# Altium PCB DM3390.PcbDoc (part 4 of 5)
Units mm, origin at the board's own origin, x right, y up, seen from the top; angles counter-clockwise.
Board outline 50.5 x 70 mm, 6 copper layers (Top Copper, Layer 1, Layer 2, Layer 3, Layer 4, Bottom Layer), stack 1.578 mm thick; 186 components, 176 nets, 1100 pads, 824 vias.
Unrouted connection lines stored in the file: 287.
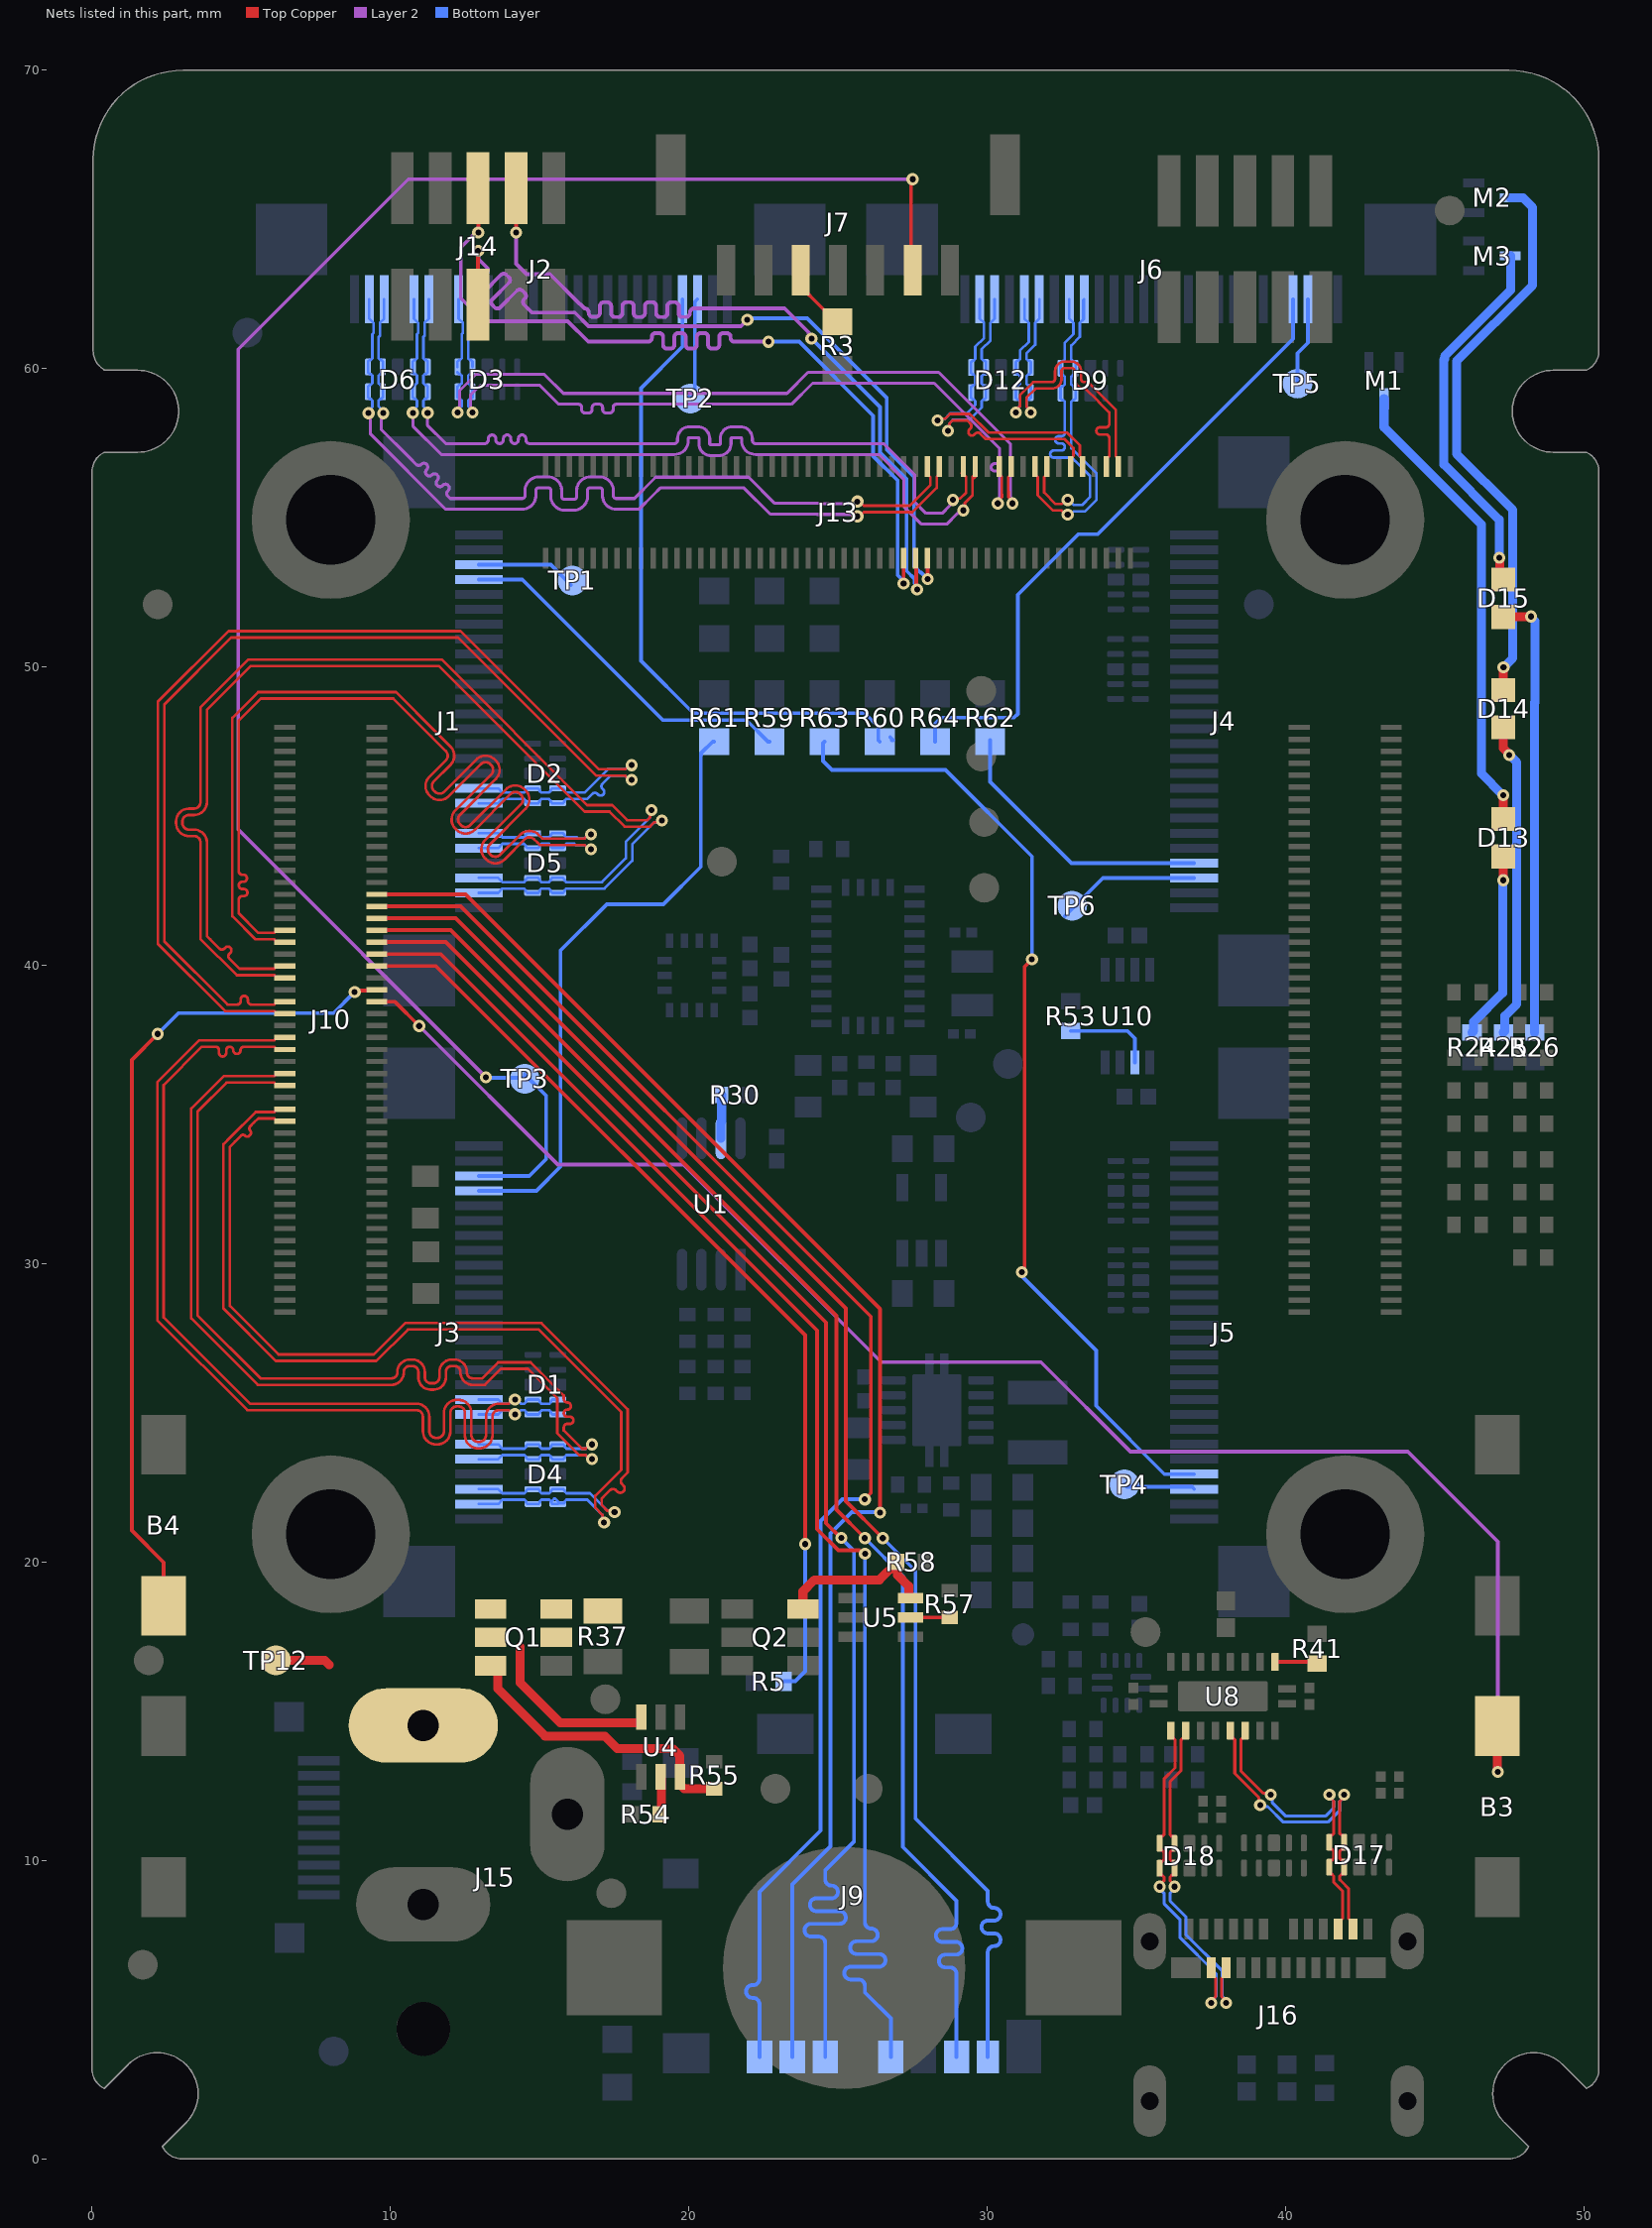
[diagram p8: the nets of this part, all layers, seen from the top]

## Via types
v1: diameter 0.406, hole 0.203, Top Copper to Bottom Layer, tented both sides, 794 vias
v2: diameter 0.406, hole 0.203, Top Copper to Bottom Layer, 30 vias

## Nets (pads, with @x,y where several pads share a name; then routed paths per layer and width w, separated by ;. In a path a pad name is that pad's centre, name@x,y a point inside that pad or via, vN(x,y) a via of type N, cw(c..) or ccw(c..) an arc to the next point about the centre after c; other vN are vias at no path point) (continued)
MIPI_RX2_C_N: D3.5 D3.6 J2.8 J13.79 | length 28.4
  Top Copper w0.089: J13.79@30.8,56.718 30.8,56.458 30.708,56.365 30.708,55.885 30.71,55.882 30.71,55.69 30.85,55.55 v1(30.85,55.479)
  Layer 2 w0.102: v1(12.25,58.528) 12.308,58.587 12.308,58.733 12.316,58.74 12.316,58.885 12.316,59.261 12.864,59.809 15.155,59.809 15.794,59.17 23.29,59.17 23.996,59.876 28.374,59.876 30.784,57.466 30.784,55.836 30.784,55.691 30.791,55.683 30.791,55.537 v1(30.85,55.479)
  Bottom Layer w0.089: D3.6@12.248,59.877 12.303,59.822 12.334,59.822 12.39,59.766 12.39,59.512 12.334,59.456 12.303,59.456 12.248,59.401 D3.5@12.248,59.222 12.248,59.042 12.303,58.987 12.334,58.987 12.39,58.931 12.39,58.739 12.25,58.6 v1(12.25,58.528) ; D3.6@12.248,60.057 12.248,60.236 12.303,60.291 12.334,60.291 12.39,60.347 12.39,61.153 12.429,61.192 12.429,61.533 12.287,61.675 J2.8@12.287,62.325
MIPI_RX2_C_P: D3.4 D3.7 J2.9 J13.77 | length 28.4
  Top Copper w0.089: v1(30.354,55.479) 30.354,55.55 30.494,55.69 30.494,55.776 30.492,55.778 30.492,56.365 30.4,56.458 J13.77@30.4,56.718
  Layer 2 w0.102: v1(12.745,58.528) 12.687,58.587 12.687,58.733 12.68,58.74 12.68,59.11 13.014,59.445 15.005,59.445 15.643,58.807 15.898,58.807 16.301,58.807 cw(c16.301,58.701) 16.407,58.701 16.407,58.623 ccw(c16.512,58.623) 16.512,58.517 16.653,58.517 ccw(c16.653,58.623) 16.759,58.623 16.759,58.701 cw(c16.864,58.701) 16.864,58.807 17.005,58.807 cw(c17.005,58.701) 17.111,58.701 17.111,58.623 ccw(c17.216,58.623) 17.216,58.517 17.357,58.517 ccw(c17.357,58.623) 17.463,58.623 17.463,58.701 cw(c17.568,58.701) 17.568,58.807 17.929,58.807 23.441,58.807 24.146,59.512 28.224,59.512 30.421,57.315 30.421,57.246 30.421,56.943 cw(c30.295,56.943) 30.295,56.817 30.257,56.817 ccw(c30.257,56.691) 30.257,56.565 30.295,56.565 cw(c30.295,56.439) 30.421,56.439 30.421,56.194 30.421,55.986 30.42,55.691 30.413,55.683 30.413,55.537 v1(30.354,55.479)
  Bottom Layer w0.089: v1(12.745,58.528) 12.745,58.6 12.606,58.739 12.606,58.931 12.661,58.987 12.693,58.987 12.748,59.042 D3.4@12.748,59.222 12.748,59.401 12.693,59.456 12.661,59.456 12.606,59.512 12.606,59.766 12.661,59.822 12.693,59.822 D3.7@12.748,59.877 ; D3.7@12.748,60.057 12.748,60.236 12.693,60.291 12.661,60.291 12.606,60.347 12.606,61.063 12.645,61.102 12.645,61.533 12.787,61.675 J2.9@12.787,62.325
MIPI_RX2_D0_N: D6.5 D6.6 J2.2 J13.67 | length 28.8
  Top Copper w0.089: v1(25.65,55.05) 25.721,55.05 25.861,55.19 27.495,55.19 28.308,56.002 28.308,56.365 28.4,56.458 J13.67@28.4,56.718
  Layer 2 w0.102: v1(9.265,58.507) 9.324,58.449 9.324,58.303 9.331,58.295 9.331,57.805 11.853,55.283 14.175,55.283 14.408,55.283 ccw(c14.408,55.748) 14.873,55.748 14.873,55.91 cw(c14.974,55.91) 14.974,56.011 15.275,56.011 cw(c15.275,55.91) 15.375,55.91 15.375,55.719 ccw(c15.839,55.719) 15.839,55.255 16.14,55.255 ccw(c16.14,55.719) 16.604,55.719 16.604,55.91 cw(c16.704,55.91) 16.704,56.011 17.006,56.011 cw(c17.006,55.91) 17.106,55.91 17.106,55.748 ccw(c17.571,55.748) 17.571,55.283 18.327,55.283 18.817,55.773 19.042,55.998 21.852,55.998 22.729,55.121 24.294,55.121 24.298,55.116 25.438,55.116 25.446,55.108 25.592,55.108 v1(25.65,55.05)
  Bottom Layer w0.089: v1(9.265,58.507) 9.265,58.593 9.39,58.718 9.39,58.931 9.334,58.987 9.303,58.987 9.248,59.042 D6.5@9.248,59.222 9.248,59.401 9.303,59.456 9.334,59.456 9.39,59.512 9.39,59.766 9.334,59.822 9.303,59.822 9.248,59.877 D6.6@9.248,60.057 9.248,60.236 9.303,60.291 9.334,60.291 9.39,60.347 9.39,61.153 9.429,61.192 9.429,61.533 9.287,61.675 J2.2@9.287,62.325
MIPI_RX2_D0_P: D6.4 D6.7 J2.3 J13.65 | length 28.8
  Top Copper w0.089: v1(25.65,55.545) 25.721,55.545 25.861,55.406 27.406,55.406 28.092,56.092 28.092,56.365 28,56.458 J13.65@28,56.718
  Layer 2 w0.102: v1(9.761,58.507) 9.703,58.449 9.703,58.303 9.695,58.295 9.695,57.955 10.609,57.04 10.646,57.004 10.856,56.794 ccw(c10.945,56.883) 11.034,56.794 cw(c11.124,56.705) 11.213,56.794 cw(c11.124,56.705) 11.213,56.615 ccw(c11.302,56.526) 11.213,56.437 ccw(c11.302,56.526) 11.391,56.437 cw(c11.48,56.348) 11.569,56.437 cw(c11.48,56.348) 11.569,56.259 ccw(c11.658,56.17) 11.569,56.081 ccw(c11.658,56.17) 11.747,56.081 11.757,56.091 cw(c11.846,56.002) 11.935,56.091 cw(c11.846,56.002) 11.935,55.913 11.925,55.903 ccw(c12.014,55.814) 11.925,55.725 12.003,55.646 12.187,55.646 14.175,55.646 14.408,55.646 ccw(c14.408,55.748) 14.51,55.748 14.51,55.91 cw(c14.974,55.91) 14.974,56.374 15.275,56.374 cw(c15.275,55.91) 15.739,55.91 15.739,55.719 ccw(c15.839,55.719) 15.839,55.619 16.14,55.619 ccw(c16.14,55.719) 16.241,55.719 16.241,55.91 cw(c16.704,55.91) 16.704,56.374 17.006,56.374 cw(c17.006,55.91) 17.469,55.91 17.469,55.748 ccw(c17.571,55.748) 17.571,55.646 18.177,55.646 18.817,56.287 18.892,56.362 22.002,56.362 22.88,55.484 24.444,55.484 24.449,55.479 25.438,55.479 25.446,55.487 25.592,55.487 v1(25.65,55.545)
  Bottom Layer w0.089: v1(9.761,58.507) 9.761,58.579 9.606,58.733 9.606,58.931 9.661,58.987 9.693,58.987 9.748,59.042 D6.4@9.748,59.222 9.748,59.401 9.693,59.456 9.661,59.456 9.606,59.512 9.606,59.766 9.661,59.822 9.693,59.822 9.748,59.877 D6.7@9.748,60.057 9.748,60.236 9.693,60.291 9.661,60.291 9.606,60.347 9.606,61.063 9.645,61.102 9.645,61.533 9.787,61.675 J2.3@9.787,62.325
MIPI_RX2_D1_N: D6.2 D6.9 J2.5 J13.73 | length 28.5
  Top Copper w0.089: v1(29.2,55.25) 29.251,55.3 29.251,55.498 29.508,55.755 29.508,56.365 J13.73@29.6,56.458 ; 29.552,56.327 29.6,56.374 J13.73@29.6,56.458 ; J13.73@29.6,56.718 J13.73@29.6,56.458
  Layer 2 w0.102: v1(10.75,58.518) 10.75,58.077 11.704,57.124 19.287,57.124 19.519,57.124 ccw(c19.519,57.589) 19.985,57.589 19.985,57.653 cw(c20.02,57.653) 20.02,57.688 20.301,57.688 cw(c20.301,57.653) 20.337,57.653 20.337,57.485 ccw(c20.735,57.485) 20.735,57.087 21.017,57.087 ccw(c21.017,57.485) 21.415,57.485 21.415,57.653 cw(c21.451,57.653) 21.451,57.688 21.732,57.688 cw(c21.732,57.653) 21.767,57.653 21.767,57.589 ccw(c22.233,57.589) 22.233,57.124 23.528,57.124 26.376,57.124 27.2,56.3 27.2,55.386 27.799,54.787 28.644,54.787 29.004,55.147 29.015,55.147 29.118,55.25 v1(29.2,55.25)
  Bottom Layer w0.089: v1(10.75,58.518) 10.75,58.589 10.89,58.729 10.89,58.931 10.834,58.987 10.803,58.987 10.748,59.042 D6.2@10.748,59.222 10.748,59.401 10.803,59.456 10.834,59.456 10.89,59.512 10.89,59.766 10.834,59.822 10.803,59.822 10.748,59.877 D6.9@10.748,60.057 10.748,60.236 10.803,60.291 10.834,60.291 10.89,60.347 10.89,61.153 10.929,61.192 10.929,61.533 10.787,61.675 J2.5@10.787,62.325
MIPI_RX2_D1_P: D6.1 D6.10 J2.6 J13.71 | length 28.4
  Top Copper w0.089: v1(28.85,55.6) 28.9,55.65 29.098,55.65 29.292,55.844 29.292,56.365 29.2,56.458 J13.71@29.2,56.54 ; J13.71@29.152,56.492 J13.71@29.2,56.54 ; J13.71@29.2,56.718 J13.71@29.2,56.54
  Layer 2 w0.102: v1(11.245,58.518) 11.231,58.503 11.231,58.111 11.854,57.487 12.691,57.487 13.153,57.487 ccw(c13.153,57.613) 13.279,57.613 13.279,57.651 cw(c13.405,57.651) 13.531,57.651 13.531,57.613 ccw(c13.657,57.613) 13.783,57.613 13.783,57.651 cw(c13.909,57.651) 14.035,57.651 14.035,57.613 ccw(c14.161,57.613) 14.287,57.613 14.287,57.651 cw(c14.413,57.651) 14.539,57.651 14.539,57.613 ccw(c14.665,57.613) 14.665,57.487 14.968,57.487 19.287,57.487 19.519,57.487 ccw(c19.519,57.589) 19.621,57.589 19.621,57.653 cw(c20.02,57.653) 20.02,58.052 20.301,58.052 cw(c20.301,57.653) 20.7,57.653 20.7,57.485 ccw(c20.735,57.485) 20.735,57.45 21.017,57.45 ccw(c21.017,57.485) 21.052,57.485 21.052,57.653 cw(c21.451,57.653) 21.451,58.052 21.732,58.052 cw(c21.732,57.653) 22.131,57.653 22.131,57.589 ccw(c22.233,57.589) 22.233,57.487 23.528,57.487 26.527,57.487 27.563,56.45 27.563,55.537 27.95,55.15 28.493,55.15 28.747,55.403 28.747,55.414 28.85,55.518 v1(28.85,55.6)
  Bottom Layer w0.089: v1(11.245,58.518) 11.245,58.589 11.106,58.729 11.106,58.931 11.161,58.987 11.193,58.987 11.248,59.042 D6.1@11.248,59.222 11.248,59.401 11.193,59.456 11.161,59.456 11.106,59.512 11.106,59.766 11.161,59.822 11.193,59.822 11.248,59.877 D6.10@11.248,60.057 D6.10@11.248,60.236 ; D6.10@11.248,60.242 D6.10@11.248,60.236 ; J2.6@11.287,62.325 11.287,61.675 11.145,61.533 11.145,61.102 11.106,61.063 11.106,60.347 11.161,60.291 11.193,60.291 D6.10@11.248,60.236
MIPI_RX3_C_N: D9.5 D9.6 J6.8 J13.85 | length 11.7
  Top Copper w0.089: J13.85@32,56.718 32,56.458 31.908,56.365 31.908,55.848 32.296,55.46 32.489,55.46 32.629,55.6 v1(32.7,55.6)
  Bottom Layer w0.089: v1(32.7,55.6) 32.741,55.6 32.911,55.43 33.18,55.43 33.451,55.701 33.451,56.394 32.933,56.912 32.889,56.956 ccw(c32.744,56.812) 32.744,57.016 32.23,57.016 cw(c32.23,57.135) 32.11,57.135 cw(c32.23,57.135) 32.23,57.255 32.483,57.255 ccw(c32.483,57.374) 32.602,57.374 ccw(c32.483,57.374) 32.483,57.494 32.4,57.494 cw(c32.4,57.613) 32.281,57.613 cw(c32.4,57.613) 32.4,57.733 32.483,57.733 ccw(c32.483,57.852) 32.602,57.852 32.602,58.713 32.602,58.891 32.547,58.946 32.515,58.946 32.46,59.001 D9.5@32.46,59.181 32.46,59.36 32.515,59.415 32.547,59.415 32.602,59.471 32.602,59.726 32.547,59.781 32.515,59.781 32.46,59.836 D9.6@32.46,60.016 32.46,60.195 32.515,60.25 32.547,60.25 32.602,60.306 32.602,60.868 32.892,61.157 32.892,61.533 32.75,61.675 J6.8@32.75,62.325
MIPI_RX3_C_P: D9.4 D9.7 J6.9 J13.83 | length 11.7
  Top Copper w0.089: J13.83@31.6,56.718 31.6,56.458 31.692,56.365 31.692,55.759 32.206,55.244 32.489,55.244 32.629,55.105 v1(32.7,55.105)
  Bottom Layer w0.089: v1(32.7,55.105) 32.786,55.105 32.895,55.214 33.269,55.214 33.666,55.611 33.666,56.484 32.818,57.332 32.818,58.891 32.874,58.946 32.905,58.946 32.96,59.001 D9.4@32.96,59.181 32.96,59.36 32.905,59.415 32.874,59.415 32.818,59.471 32.818,59.726 32.874,59.781 32.905,59.781 32.96,59.836 D9.7@32.96,60.016 32.96,60.195 32.905,60.25 32.874,60.25 32.818,60.306 32.818,60.706 32.818,60.778 33.108,61.068 33.108,61.533 J6.9@33.213,61.638 ; J6.9@33.213,61.638 33.213,62.288 J6.9@33.25,62.325 33.25,61.675 J6.9@33.213,61.638
MIPI_RX3_D0_N: D12.5 D12.6 J6.2 J13.91 | length 11.6
  Top Copper w0.089: v1(28.332,58.267) 28.382,58.317 28.58,58.317 28.745,58.482 29.418,58.482 30.043,57.857 32.68,57.857 33.108,57.429 33.108,57.07 33.2,56.978 J13.91@33.2,56.718
  Bottom Layer w0.089: v1(28.332,58.267) 28.382,58.317 28.58,58.317 28.757,58.495 29.313,58.495 29.602,58.784 29.602,58.912 29.547,58.967 29.515,58.967 29.46,59.022 D12.5@29.46,59.202 29.46,59.381 29.515,59.436 29.547,59.436 29.602,59.492 29.602,59.747 29.547,59.802 29.515,59.802 29.46,59.857 D12.6@29.46,60.037 29.46,60.216 29.515,60.271 29.547,60.271 29.602,60.327 29.602,60.74 29.892,61.029 29.892,61.533 29.75,61.675 J6.2@29.75,62.325
MIPI_RX3_D0_P: D12.4 D12.7 J6.3 J13.89 | length 11.6
  Top Copper w0.089: v1(28.682,57.917) 28.733,57.967 28.733,58.165 28.834,58.266 29.225,58.266 29.329,58.266 29.435,58.16 cw(c29.351,58.075) 29.435,57.991 29.405,57.961 ccw(c29.489,57.876) 29.405,57.792 ccw(c29.489,57.876) 29.574,57.792 29.604,57.822 cw(c29.688,57.737) 29.773,57.822 29.954,57.641 30.419,57.641 32.591,57.641 32.892,57.34 32.892,57.07 32.8,56.978 J13.89@32.8,56.718
  Bottom Layer w0.089: v1(28.682,57.917) 28.733,57.967 28.733,58.165 28.847,58.279 29.402,58.279 29.818,58.695 29.818,58.912 29.874,58.967 29.905,58.967 29.96,59.022 D12.4@29.96,59.202 29.96,59.381 29.905,59.436 29.874,59.436 29.818,59.492 29.818,59.747 29.874,59.802 29.905,59.802 29.96,59.857 D12.7@29.96,60.037 29.96,60.216 29.905,60.271 29.874,60.271 29.818,60.327 29.818,60.65 30.108,60.94 30.108,61.533 30.25,61.675 J6.3@30.25,62.325
MIPI_RX3_D1_N: D12.2 D12.9 J6.5 J13.97 | length 11.7
  Top Copper w0.089: v1(30.963,58.527) 30.963,58.598 31.102,58.738 31.102,59.116 31.537,59.55 32.014,59.55 32.167,59.55 ccw(c32.167,59.66) 32.276,59.66 32.276,59.912 cw(c32.602,59.912) 32.602,60.238 32.821,60.238 cw(c32.821,59.912) 33.147,59.912 33.147,59.66 ccw(c33.257,59.66) 33.257,59.55 33.383,59.55 33.7,59.233 34.308,58.626 34.308,57.07 34.4,56.978 J13.97@34.4,56.718
  Bottom Layer w0.089: v1(30.963,58.527) 30.963,58.598 31.102,58.738 31.102,58.912 31.047,58.967 31.015,58.967 30.96,59.022 D12.2@30.96,59.202 30.96,59.381 31.015,59.436 31.047,59.436 31.102,59.492 31.102,59.747 31.047,59.802 31.015,59.802 30.96,59.857 D12.9@30.96,60.037 30.96,60.216 31.015,60.271 31.047,60.271 31.102,60.327 31.102,60.602 31.392,60.891 31.392,61.533 31.25,61.675 J6.5@31.25,62.325
MIPI_RX3_D1_P: D12.1 D12.10 J6.6 J13.95 | length 11.7
  Top Copper w0.089: v1(31.458,58.527) 31.458,58.598 31.318,58.738 31.318,59.026 31.626,59.334 32.014,59.334 32.167,59.334 ccw(c32.167,59.66) 32.492,59.66 32.492,59.912 cw(c32.602,59.912) 32.602,60.022 32.821,60.022 cw(c32.821,59.912) 32.931,59.912 32.931,59.66 ccw(c33.257,59.66) 33.257,59.334 33.294,59.334 33.7,58.928 33.775,58.853 34.092,58.536 34.092,58.152 cw(c33.972,58.152) 33.972,58.032 33.776,58.032 ccw(c33.776,57.913) 33.657,57.913 ccw(c33.776,57.913) 33.776,57.793 33.972,57.793 cw(c33.972,57.674) 34.092,57.674 34.092,57.348 34.092,57.07 34,56.978 J13.95@34,56.718
  Bottom Layer w0.089: v1(31.458,58.527) 31.458,58.598 31.318,58.738 31.318,58.912 31.374,58.967 31.405,58.967 31.46,59.022 D12.1@31.46,59.202 31.46,59.381 31.405,59.436 31.374,59.436 31.318,59.492 31.318,59.747 31.374,59.802 31.405,59.802 31.46,59.857 D12.10@31.46,60.037 31.46,60.216 31.405,60.271 31.374,60.271 31.318,60.327 31.318,60.512 31.608,60.802 31.608,61.533 31.75,61.675 J6.6@31.75,62.325
MIPI_RX4_C_N: D1.5 D1.6 J3.8 J10.47 | length 33.2
  Top Copper w0.089: J10.47@6.46,37.578 6.2,37.578 6.108,37.485 3.594,37.485 2.184,36.075 2.184,28.111 5.203,25.092 10.117,25.092 10.867,25.092 cw(c10.867,24.872) 11.087,24.872 11.087,24.381 ccw(c11.523,24.381) 11.523,23.945 11.572,23.945 ccw(c11.572,24.381) 12.008,24.381 12.008,24.998 cw(c12.228,24.998) 12.228,25.218 12.277,25.218 cw(c12.277,24.998) 12.497,24.998 12.497,24.248 ccw(c12.933,24.248) 12.933,23.812 12.982,23.812 ccw(c12.982,24.248) 13.417,24.248 13.417,24.872 cw(c13.637,24.872) 13.637,25.092 13.79,25.092 13.963,25.092 14.103,24.952 v1(14.174,24.952)
  Bottom Layer w0.089: J3.8@12.96,24.945 13.61,24.945 13.752,25.087 13.963,25.087 14.098,24.952 v1(14.174,24.952) 14.245,24.952 14.385,25.092 14.487,25.092 14.543,25.036 14.543,25 14.598,24.945 D1.6@14.778,24.945 14.957,24.945 15.012,25 15.012,25.031 15.068,25.087 15.322,25.087 15.378,25.031 15.378,25 15.433,24.945 D1.5@15.613,24.945
MIPI_RX4_C_P: D1.4 D1.7 J3.9 J10.45 | length 33.2
  Top Copper w0.089: J10.45@6.46,37.178 6.2,37.178 6.108,37.27 5.34,37.27 5.091,37.27 ccw(c5.091,37.15) 4.972,37.15 cw(c4.852,37.15) 4.852,37.031 cw(c4.852,37.15) 4.733,37.15 ccw(c4.613,37.15) 4.613,37.27 ccw(c4.613,37.15) 4.494,37.15 4.494,37.062 cw(c4.375,37.062) 4.375,36.943 cw(c4.375,37.062) 4.255,37.062 4.255,37.15 ccw(c4.136,37.15) 4.136,37.27 3.852,37.27 3.684,37.27 2.4,35.986 2.4,28.2 5.292,25.308 10.117,25.308 10.867,25.308 cw(c10.867,24.872) 11.303,24.872 11.303,24.381 ccw(c11.523,24.381) 11.523,24.161 11.572,24.161 ccw(c11.572,24.381) 11.792,24.381 11.792,24.998 cw(c12.228,24.998) 12.228,25.434 12.277,25.434 cw(c12.277,24.998) 12.713,24.998 12.713,24.248 ccw(c12.933,24.248) 12.933,24.028 12.982,24.028 ccw(c12.982,24.248) 13.202,24.248 13.202,24.872 cw(c13.637,24.872) 13.637,25.308 13.79,25.308 13.963,25.308 14.103,25.447 v1(14.174,25.447)
  Bottom Layer w0.089: J3.9@12.96,25.445 13.61,25.445 13.752,25.303 13.958,25.303 14.103,25.447 v1(14.174,25.447) 14.233,25.447 14.373,25.308 14.487,25.308 14.543,25.363 14.543,25.39 14.598,25.445 D1.7@14.778,25.445 14.957,25.445 15.012,25.39 15.012,25.358 15.068,25.303 15.322,25.303 15.378,25.358 15.378,25.39 15.433,25.445 D1.4@15.613,25.445
MIPI_RX4_D0_N: D4.5 D4.6 J3.2 J10.35 | length 33.2
  Top Copper w0.089: J10.35@6.46,35.178 6.2,35.178 6.108,35.085 5.48,35.085 4.639,34.245 4.401,34.006 4.401,28.494 6.156,26.739 9.529,26.739 10.582,27.793 14.971,27.793 17.737,25.026 17.737,23.092 16.866,22.22 16.866,21.816 17.109,21.573 17.109,21.375 v1(17.159,21.325)
  Bottom Layer w0.089: J3.2@12.96,21.945 13.61,21.945 13.752,22.087 13.983,22.087 14.487,22.087 14.543,22.031 14.543,22 14.598,21.945 D4.6@14.778,21.945 14.957,21.945 15.012,22 15.012,22.031 15.068,22.087 15.322,22.087 15.378,22.031 15.378,22 15.433,21.945 D4.5@15.613,21.945 ; D4.5@15.386,22.024 15.485,22.123 15.527,22.123 15.674,21.975 15.822,21.975 15.847,22 15.847,22.031 15.903,22.087 16.596,22.087 17.109,21.574 17.109,21.375 v1(17.159,21.325)
MIPI_RX4_D0_P: D4.4 D4.7 J3.3 J10.33 | length 33.2
  Top Copper w0.089: J10.33@6.46,34.778 6.2,34.778 6.108,34.87 5.57,34.87 5.427,34.727 5.296,34.596 ccw(c5.364,34.529) 5.296,34.461 5.3,34.458 cw(c5.233,34.39) 5.3,34.322 5.266,34.289 cw(c5.199,34.356) 5.131,34.289 5.128,34.292 ccw(c5.06,34.225) 4.992,34.292 4.792,34.092 4.617,33.917 4.617,28.583 6.245,26.955 9.439,26.955 10.493,28.008 15.061,28.008 17.953,25.116 17.953,23.069 17.953,23.002 17.764,22.813 ccw(c17.866,22.711) 17.764,22.609 17.805,22.567 cw(c17.703,22.465) 17.805,22.363 cw(c17.703,22.465) 17.601,22.363 17.559,22.404 ccw(c17.457,22.302) 17.355,22.404 17.119,22.169 17.081,22.131 17.081,21.905 17.261,21.726 17.459,21.726 v1(17.509,21.675)
  Bottom Layer w0.089: J3.3@12.96,22.445 13.61,22.445 13.752,22.303 13.894,22.303 14.487,22.303 14.543,22.358 14.543,22.39 14.598,22.445 D4.7@14.778,22.445 14.957,22.445 15.012,22.39 15.012,22.358 15.068,22.303 15.322,22.303 15.378,22.358 15.378,22.39 15.433,22.445 D4.4@15.613,22.445 15.792,22.445 15.847,22.39 15.847,22.358 15.903,22.303 16.686,22.303 17.262,21.726 17.458,21.726 v1(17.509,21.675)
MIPI_RX4_D1_N: D4.2 D4.9 J3.5 J10.41 | length 33.2
  Top Copper w0.089: J10.41@6.46,36.378 6.2,36.378 6.108,36.285 4.411,36.285 3.324,35.198 3.324,28.171 5.556,25.939 9.883,25.939 10.035,25.939 ccw(c10.035,26.351) 10.447,26.351 10.447,26.372 cw(c10.642,26.372) 10.642,26.567 10.74,26.567 cw(c10.74,26.372) 10.936,26.372 10.936,26.189 ccw(c11.347,26.189) 11.347,25.778 11.445,25.778 ccw(c11.445,26.189) 11.856,26.189 11.856,26.372 cw(c12.052,26.372) 12.052,26.567 12.15,26.567 cw(c12.15,26.372) 12.345,26.372 12.345,26.351 ccw(c12.757,26.351) 12.757,25.939 13.164,25.939 13.349,26.124 13.698,26.474 14.611,26.474 15.593,25.492 15.593,24.322 16.328,23.587 16.543,23.587 16.683,23.447 v1(16.754,23.447)
  Bottom Layer w0.089: J3.5@12.96,23.445 13.61,23.445 13.752,23.587 14.064,23.587 14.487,23.587 14.543,23.531 14.543,23.5 14.598,23.445 D4.9@14.778,23.445 14.957,23.445 15.012,23.5 15.012,23.531 15.068,23.587 15.322,23.587 15.378,23.531 15.378,23.5 15.433,23.445 D4.2@15.613,23.445 15.792,23.445 15.847,23.5 15.847,23.531 15.903,23.587 16.543,23.587 16.683,23.447 v1(16.754,23.447)
MIPI_RX4_D1_P: D4.1 D4.10 J3.6 J10.39 | length 33.2
  Top Copper w0.089: J10.39@6.46,35.978 6.2,35.978 6.108,36.07 4.501,36.07 3.54,35.109 3.54,28.26 5.645,26.155 9.883,26.155 10.035,26.155 ccw(c10.035,26.351) 10.231,26.351 10.231,26.372 cw(c10.642,26.372) 10.642,26.783 10.74,26.783 cw(c10.74,26.372) 11.152,26.372 11.152,26.189 ccw(c11.347,26.189) 11.347,25.994 11.445,25.994 ccw(c11.445,26.189) 11.64,26.189 11.64,26.372 cw(c12.052,26.372) 12.052,26.783 12.15,26.783 cw(c12.15,26.372) 12.561,26.372 12.561,26.351 ccw(c12.757,26.351) 12.757,26.155 13.075,26.155 13.349,26.43 13.609,26.689 14.7,26.689 15.641,25.749 15.809,25.581 15.809,25.467 ccw(c15.928,25.467) 15.928,25.348 cw(c15.928,25.228) 16.048,25.228 cw(c15.928,25.228) 15.928,25.109 ccw(c15.928,24.989) 15.809,24.989 ccw(c15.928,24.989) 15.928,24.87 16.013,24.87 cw(c16.013,24.75) 16.133,24.75 cw(c16.013,24.75) 16.013,24.631 15.928,24.631 ccw(c15.928,24.511) 15.809,24.511 15.809,24.412 15.933,24.288 16.418,23.803 16.543,23.803 16.683,23.942 v1(16.754,23.942)
  Bottom Layer w0.089: J3.6@12.96,23.945 13.61,23.945 13.752,23.803 13.975,23.803 14.487,23.803 14.543,23.858 14.543,23.89 14.598,23.945 D4.10@14.778,23.945 14.957,23.945 15.012,23.89 15.012,23.858 15.068,23.803 15.322,23.803 15.378,23.858 15.378,23.89 15.433,23.945 D4.1@15.613,23.945 15.792,23.945 15.847,23.89 15.847,23.858 15.903,23.803 16.543,23.803 16.683,23.942 v1(16.754,23.942)
MIPI_RX5_C_N: D2.5 D2.6 J1.8 J10.53 | length 38
  Top Copper w0.089: J10.53@6.46,38.778 6.2,38.778 6.108,38.685 5.623,38.685 5.339,38.685 cw(c5.339,38.805) 5.22,38.805 5.22,38.856 ccw(c5.1,38.856) 5.1,38.975 ccw(c5.1,38.856) 4.981,38.856 4.981,38.805 cw(c4.861,38.805) 4.861,38.685 4.634,38.685 4.542,38.685 2.421,40.806 2.421,48.748 4.661,50.988 12.262,50.988 16.896,46.354 17.87,46.354 18.01,46.214 v1(18.081,46.214)
  Bottom Layer w0.089: J1.8@12.96,45.43 13.61,45.43 13.752,45.572 13.975,45.572 14.476,45.572 14.532,45.516 14.532,45.485 14.587,45.43 D2.6@14.767,45.43 14.946,45.43 15.001,45.485 15.001,45.516 15.057,45.572 15.311,45.572 15.367,45.516 15.367,45.485 15.422,45.43 D2.5@15.602,45.43 15.781,45.43 15.836,45.485 15.836,45.516 15.892,45.572 16.542,45.572 16.592,45.572 16.767,45.747 cw(c16.852,45.663) 16.936,45.747 16.96,45.723 ccw(c17.045,45.808) 17.129,45.723 ccw(c17.045,45.808) 17.129,45.892 17.105,45.916 cw(c17.189,46.001) 17.105,46.085 17.225,46.205 17.374,46.354 17.87,46.354 18.01,46.214 v1(18.081,46.214)
MIPI_RX5_C_P: D2.4 D2.7 J1.9 J10.51 | length 38
  Top Copper w0.089: J10.51@6.46,38.378 6.2,38.378 6.108,38.47 4.453,38.47 2.206,40.717 2.206,48.837 4.572,51.204 12.352,51.204 16.986,46.57 17.87,46.57 18.01,46.709 v1(18.081,46.709)
  Bottom Layer w0.089: J1.9@12.96,45.93 13.61,45.93 13.752,45.788 14.064,45.788 14.476,45.788 14.532,45.843 14.532,45.875 14.587,45.93 D2.7@14.767,45.93 14.946,45.93 15.001,45.875 15.001,45.843 15.057,45.788 15.311,45.788 15.367,45.843 15.367,45.875 15.422,45.93 D2.4@15.602,45.93 15.781,45.93 15.836,45.875 15.836,45.843 15.892,45.788 16.502,45.788 17.284,46.57 17.87,46.57 18.01,46.709 v1(18.081,46.709)
MIPI_RX5_D0_N: D5.5 D5.6 J1.2 J10.59 | length 38.1
  Top Copper w0.089: J10.59@6.46,39.978 6.2,39.978 6.108,39.885 4.94,39.885 4.803,40.022 4.603,40.223 cw(c4.687,40.307) 4.603,40.392 4.633,40.422 ccw(c4.549,40.506) 4.633,40.591 ccw(c4.549,40.506) 4.464,40.59 4.434,40.56 cw(c4.35,40.645) 4.265,40.56 3.962,40.863 3.85,40.976 3.85,42.639 3.85,44.113 ccw(c3.414,44.113) 3.414,44.549 3.248,44.549 cw(c3.248,44.769) 3.028,44.769 3.028,44.818 cw(c3.248,44.818) 3.248,45.038 3.414,45.038 ccw(c3.414,45.474) 3.85,45.474 3.85,46.331 3.85,48.554 5.329,50.033 11.625,50.033 16.506,45.152 17.342,45.152 17.847,44.648 18.7,44.648 18.852,44.8 19.05,44.8 v1(19.1,44.85)
  Bottom Layer w0.089: J1.2@12.96,42.43 13.61,42.43 13.752,42.572 13.983,42.572 14.476,42.572 14.532,42.516 14.532,42.485 14.587,42.43 D5.6@14.767,42.43 14.946,42.43 15.001,42.485 15.001,42.516 15.057,42.572 15.311,42.572 15.367,42.516 15.367,42.485 15.422,42.43 D5.5@15.602,42.43 15.781,42.43 15.836,42.485 15.836,42.516 15.892,42.572 17.177,42.572 18.108,43.502 18.108,44.055 18.852,44.8 19.05,44.8 v1(19.1,44.85)
MIPI_RX5_D0_P: D5.4 D5.7 J1.3 J10.57 | length 38.1
  Top Copper w0.089: J10.57@6.46,39.578 6.2,39.578 6.108,39.67 4.851,39.67 3.634,40.886 3.634,42.639 3.634,44.113 ccw(c3.414,44.113) 3.414,44.333 3.248,44.333 cw(c3.248,44.769) 2.812,44.769 2.812,44.818 cw(c3.248,44.818) 3.248,45.254 3.414,45.254 ccw(c3.414,45.474) 3.634,45.474 3.634,46.331 3.634,48.644 5.239,50.249 11.715,50.249 16.595,45.368 17.432,45.368 17.936,44.864 18.611,44.864 18.699,44.952 18.699,45.15 v1(18.75,45.2)
  Bottom Layer w0.089: J1.3@12.96,42.93 13.61,42.93 13.752,42.788 13.894,42.788 14.476,42.788 14.532,42.843 14.532,42.875 14.587,42.93 D5.7@14.767,42.93 14.946,42.93 15.001,42.875 15.001,42.843 15.057,42.788 15.311,42.788 15.367,42.843 15.367,42.875 15.422,42.93 D5.4@15.602,42.93 15.781,42.93 15.836,42.875 15.836,42.843 15.892,42.788 17.088,42.788 17.892,43.592 17.892,44.145 18.699,44.952 18.699,45.15 v1(18.75,45.2)
MIPI_RX5_D1_N: D5.2 D5.9 J1.5 J10.65 | length 38
  Top Copper w0.089: J10.65@6.46,41.178 6.2,41.178 6.108,41.085 5.568,41.085 4.915,41.738 4.915,41.918 4.915,42.201 cw(c5.035,42.201) 5.035,42.321 5.086,42.321 ccw(c5.086,42.44) 5.205,42.44 ccw(c5.086,42.44) 5.086,42.559 5.035,42.559 cw(c5.035,42.679) 4.915,42.679 cw(c5.035,42.679) 5.035,42.798 5.069,42.798 ccw(c5.069,42.918) 5.188,42.918 ccw(c5.069,42.918) 5.069,43.037 5.035,43.037 cw(c5.035,43.157) 4.915,43.157 4.915,43.45 4.915,48.203 5.654,48.942 10.097,48.942 11.375,47.663 11.857,47.182 cw(c11.701,47.026) 11.857,46.871 11.303,46.317 ccw(c11.611,46.009) 11.304,45.7 11.337,45.666 ccw(c11.646,45.974) 11.954,45.666 13.033,46.744 ; 13.033,46.745 cw(c13.189,46.589) 13.344,46.745 13.379,46.71 cw(c13.223,46.555) 13.379,46.399 12.145,45.165 12.145,45.162 ccw(c12.485,44.889) 12.177,44.58 12.211,44.546 ccw(c12.519,44.854) 12.828,44.546 14.029,45.748 ; 14.03,45.748 cw(c14.185,45.593) 14.341,45.748 14.376,45.714 cw(c14.22,45.558) 14.376,45.402 13.142,44.169 13.142,44.165 ccw(c13.482,43.892) 13.174,43.583 13.208,43.55 ccw(c13.516,43.857) 13.824,43.549 14.501,44.226 cw(c14.657,44.071) 14.813,44.226 14.92,44.118 15.005,44.034 16.509,44.034 16.648,43.894 v1(16.719,43.894)
  Bottom Layer w0.089: J1.5@12.96,43.93 13.61,43.93 13.752,44.072 13.983,44.072 14.476,44.072 14.532,44.016 14.532,43.985 14.587,43.93 D5.9@14.767,43.93 14.946,43.93 15.001,43.985 15.001,44.016 15.057,44.072 15.311,44.072 15.367,44.016 15.367,43.985 15.422,43.93 D5.2@15.602,43.93 15.781,43.93 15.836,43.985 15.836,44.016 15.892,44.072 16.16,44.072 16.198,44.034 16.509,44.034 16.648,43.894 v1(16.719,43.894)
MIPI_RX5_D1_P: D5.1 D5.10 J1.6 J10.63 | length 38
  Top Copper w0.089: J10.63@6.46,40.778 6.2,40.778 6.108,40.87 5.479,40.87 4.7,41.649 4.7,48.293 5.564,49.158 10.186,49.158 11.528,47.816 12.01,47.335 cw(c11.701,47.026) 12.01,46.718 11.456,46.164 ccw(c11.611,46.009) 11.456,45.853 11.491,45.818 ccw(c11.646,45.974) 11.802,45.819 12.912,46.929 12.916,46.929 cw(c13.189,46.589) 13.497,46.898 13.532,46.863 cw(c13.223,46.555) 13.532,46.247 12.33,45.045 ccw(c12.485,44.889) 12.329,44.733 12.364,44.698 ccw(c12.519,44.854) 12.675,44.699 13.909,45.932 13.912,45.932 cw(c14.185,45.593) 14.494,45.901 14.528,45.866 cw(c14.22,45.558) 14.528,45.25 13.327,44.048 ; 13.326,44.048 ccw(c13.482,43.892) 13.326,43.737 13.361,43.702 ccw(c13.516,43.857) 13.672,43.702 14.349,44.379 cw(c14.657,44.071) 14.965,44.379 15.073,44.271 15.094,44.25 16.509,44.25 16.648,44.39 v1(16.719,44.39)
  Bottom Layer w0.089: J1.6@12.96,44.43 13.61,44.43 13.752,44.288 13.894,44.288 14.476,44.288 14.532,44.343 14.532,44.375 14.587,44.43 D5.10@14.767,44.43 14.946,44.43 15.001,44.375 15.001,44.343 15.057,44.288 15.311,44.288 15.367,44.343 15.367,44.375 15.422,44.43 D5.1@15.602,44.43 15.781,44.43 15.836,44.375 15.836,44.343 15.892,44.288 16.25,44.288 16.287,44.25 16.509,44.25 16.648,44.39 v1(16.719,44.39)
NetD13_1: D13.1 M1.3 | length 15.7
  Top Copper w0.3: v1(47.295,45.7) 47.298,45.698 47.298,44.902 D13.1@47.3,44.9
  Bottom Layer w0.3: M1.3@43.3,58.989 43.3,58.04 46.56,54.78 46.56,46.436 v1(47.295,45.7)
NetD13_2: D13.2 R24.1 | length 6.3
  Top Copper w0.3: v1(47.295,42.85) 47.298,42.852 47.298,43.648 D13.2@47.3,43.65
  Bottom Layer w0.3: R24.1@46.25,37.75 46.3,37.8 46.3,38.1 47.275,39.075 47.275,42.83 v1(47.295,42.85)
NetD14_1: D14.1 M2.3 | length 19
  Top Copper w0.3: D14.1@47.3,49.225 47.3,49.981 v1(47.303,49.985)
  Bottom Layer w0.3: v1(47.303,49.985) 47.62,50.301 47.62,55.26 45.73,57.15 45.73,60.25 48.28,62.8 48.28,65.4 47.954,65.726 M2.3@47.531,65.726
NetD14_2: D14.2 R25.1 | length 10.6
  Top Copper w0.3: D14.2@47.3,47.975 47.3,47.275 47.5,47.075 v1(47.5,47.05)
  Bottom Layer w0.3: R25.1@47.3,37.75 47.349,37.799 47.349,38.299 47.75,38.7 47.75,46.8 v1(47.5,47.05)
NetD15_1: D15.1 M3.3 | length 12.6
  Top Copper w0.3: v1(47.16,53.66) 47.18,53.64 47.18,53.045 D15.1@47.3,52.925
  Bottom Layer w0.3: v1(47.16,53.66) 47.16,54.936 45.31,56.786 45.31,60.3 45.328,60.318 45.328,60.416 47.54,62.628 47.54,63.776 M3.3@47.531,63.776
NetD15_2: D15.2 R26.1 | length 14.9
  Top Copper w0.3: D15.2@47.3,51.675 47.309,51.684 48.223,51.684 v1(48.232,51.692)
  Bottom Layer w0.3: v1(48.232,51.692) 48.232,51.664 48.355,51.541 48.355,48.812 48.347,48.804 48.347,37.875 48.35,37.872 R26.1@48.35,37.75
NetJ1_23: J1.23 R59.2 | length 12
  Bottom Layer w0.127: J1.23@12.96,52.93 14.42,52.93 19.129,48.221 21.929,48.221 22.65,47.5 R59.2@22.7,47.5
NetJ2_23: J2.23 R60.2 | length 22.3
  Bottom Layer w0.127: J2.23@19.787,62.325 19.787,60.737 18.4,59.35 18.4,50.2 20.15,48.45 25.9,48.45 26.35,48 26.35,47.55 R60.2@26.4,47.5 ; R60.2@26.75,47.65 26.85,47.55 R60.2@26.8,47.55
NetJ3_23: J3.23 R61.2 | length 20.6
  Bottom Layer w0.127: J3.23@12.96,32.445 14.895,32.445 15.7,33.25 15.7,40.5 17.25,42.05 19.15,42.05 20.4,43.3 20.4,47.039 20.413,47.053 20.413,47.113 20.8,47.5 R61.2@20.85,47.5
NetJ4_23: J4.23 R62.2 | length 9.4
  Bottom Layer w0.127: R62.2@30.1,47.55 30.1,46.15 32.82,43.43 J4.23@36.936,43.43
NetJ5_23: J5.23 R63.2 | length 32.8
  Top Copper w0.127: v1(31.16,29.716) 31.16,29.792 31.252,29.884 31.252,39.952 v1(31.5,40.2)
  Bottom Layer w0.127: R63.2@24.55,47.5 24.5,47.45 24.5,46.85 24.8,46.55 28.6,46.55 31.5,43.65 v1(31.5,40.2) ; v1(31.16,29.716) 31.214,29.663 31.214,29.53 33.65,27.094 33.65,25.235 35.94,22.945 J5.23@36.936,22.945
NetJ6_23: J6.23 R64.2 | length 21.6
  Bottom Layer w0.127: R64.2@28.25,47.5 28.25,48.1 28.45,48.3 30.9,48.3 31.025,48.425 31.025,52.425 33.05,54.45 33.7,54.45 40.25,61 J6.23@40.25,62.325
NetJ7_5: J7.5 R3.2 | length 2.3
  Top Copper w0.127: J7.5@23.75,63.3 23.75,62.75 24.389,62.111 24.93,61.57 R3.2@24.98,61.57
NetJ15_1: J15.1 Q1.1 Q1.2 Q1.5 Q1.6 R37.1 TP12.1 U4.6 | length 7.9
  Top Copper w0.3: TP12.1@6.067,16.7 TP12.1@6.16,16.7 7.8,16.7 7.95,16.55 ; 14.35,17.15 14.35,15.95 15.696,14.604 18.375,14.604 18.4,14.629 U4.6@18.4,14.8
NetQ1_3: Q1.3 R55.2 U4.3 | length 10.4
  Top Copper w0.127: Q1.3@13.18,16.7 Q1.3@13.357,16.522
  Top Copper w0.3: Q1.3@13.357,16.522 13.425,16.522 13.6,16.347 13.6,15.75 15.184,14.166 17.184,14.166 17.6,13.75 19.45,13.75 19.7,13.5 U4.3@19.7,12.8 19.7,12.55 19.85,12.4 R55.2@20.85,12.4
NetQ2_3: Q2.3 R58.2 U5.3 | length 5.6
  Top Copper w0.3: Q2.3@23.825,18.423 23.825,19.014 24.211,19.4 26.39,19.4 R58.2@26.996,20.006 26.996,19.563 27.367,19.193 27.367,18.858 U5.3@27.432,18.792
NetR30_2: R30.2 U1.7 | length 1.5
  Bottom Layer w0.3: U1.7@21.075,34.2 21.075,34.739 21.1,34.764 R30.2@21.1,35.65
NetR41_1: R41.1 U8.2 | length 1.4
  Top Copper w0.127: U8.2@39.65,16.65 41,16.65 R41.1@41.05,16.6
NetR53_1: R53.1 U10.6 | length 3.1
  Bottom Layer w0.127: R53.1@32.8,37.8 34.7,37.8 34.75,37.75 34.95,37.55 U10.6@34.95,36.75
NetR54_2: R54.2 U4.2 | length 1.4
  Top Copper w0.3: R54.2@19,11.55 19.075,11.475 U4.2@19.075,12.8
NetR57_2: R57.2 U5.2 | length 1.3
  Top Copper w0.127: U5.2@27.432,18.142 28.736,18.142 R57.2@28.741,18.137
nRST: B4.2 J10.56 | length 27.9
  Top Copper w0.127: v1(2.2,37.7) 1.329,36.829 1.329,21.058 2.4,19.987 B4.2@2.4,18.537 ; v1(8.8,39.1) 8.851,39.151 9.513,39.151 J10.56@9.54,39.178
  Bottom Layer w0.127: v1(2.2,37.7) 2.9,38.4 8.1,38.4 v1(8.8,39.1)
PWR: B3.2 J10.54 | length 54.3
  Top Copper w0.127: J10.54@9.54,38.778 10.152,38.778 v1(10.965,37.965)
  Top Copper w0.3: B3.2@47.1,14.5 47.1,12.982 v1(47.116,12.966)
  Layer 2 w0.127: v1(10.965,37.965) 15.608,33.321 19.831,33.321 26.452,26.7 31.8,26.7 34.8,23.7 44.1,23.7 47.116,20.684 v1(47.116,12.966)
RXB_N: D18.2 D18.9 J16.B10 U8.13 | length 11.9
  Top Copper w0.102: v1(36.277,9.118) 36.277,9.165 36.127,9.314 36.127,9.444 36.187,9.503 36.226,9.503 36.275,9.552 D18.2@36.275,9.735 36.275,9.917 36.226,9.967 36.187,9.967 36.127,10.026 36.127,10.279 36.187,10.338 36.226,10.338 36.275,10.387 D18.9@36.275,10.57 36.275,10.752 36.226,10.802 36.187,10.802 36.127,10.861 36.127,12.64 36.502,13.014 36.502,14.041 36.561,14.101 36.576,14.101 36.65,14.175 U8.13@36.65,14.35 ; v1(38.006,5.222) 38.006,5.288 37.86,5.434 37.86,5.579 37.864,5.582 37.864,6.051 38.012,6.199 J16.B10@38.012,6.399
  Bottom Layer w0.102: v1(36.277,9.118) 36.277,9.052 36.131,8.906 36.131,8.639 36.66,8.109 36.66,7.508 37.879,6.289 37.879,5.432 38.006,5.304 v1(38.006,5.222)
RXB_P: D18.1 D18.10 J16.B11 U8.12 | length 11.9
  Top Copper w0.102: v1(35.781,9.118) 35.781,9.172 35.924,9.314 35.924,9.444 35.864,9.503 35.825,9.503 35.775,9.552 D18.1@35.775,9.735 35.775,9.917 35.825,9.967 35.864,9.967 35.924,10.026 35.924,10.279 35.864,10.338 35.825,10.338 35.775,10.387 D18.10@35.775,10.57 35.775,10.752 35.825,10.802 35.864,10.802 35.924,10.861 35.924,12.724 36.298,13.098 36.298,14.041 36.239,14.101 36.224,14.101 36.15,14.175 U8.12@36.15,14.35 ; v1(37.511,5.222) 37.511,5.288 37.657,5.434 37.657,5.885 37.661,5.888 37.661,6.051 37.512,6.199 J16.B11@37.512,6.399
  Bottom Layer w0.102: v1(35.781,9.118) 35.781,9.052 35.927,8.906 35.927,8.555 36.457,8.025 36.457,7.423 37.676,6.205 37.676,5.44 37.511,5.275 v1(37.511,5.222)
RXC_N: D17.1 D17.10 J16.A10 U8.17 | length 11
  Top Copper w0.102: U8.17@38.65,14.35 38.65,14.175 38.576,14.101 38.561,14.101 38.502,14.041 38.502,12.998 39.25,12.25 39.45,12.25 v1(39.5,12.2) ; v1(41.469,12.2) 41.469,12.134 41.615,11.988 41.615,10.896 41.555,10.837 41.516,10.837 41.467,10.788 D17.10@41.467,10.605 41.467,10.423 41.516,10.374 41.555,10.374 41.615,10.314 41.615,10.061 41.555,10.002 41.516,10.002 41.467,9.953 D17.1@41.467,9.77 41.467,9.588 41.516,9.539 41.555,9.539 41.615,9.479 41.615,9.266 41.793,9.087 ; J16.A10@41.762,7.699 41.762,7.899 41.911,8.048 41.911,8.971 41.795,9.087
  Bottom Layer w0.102: v1(39.5,12.2) 39.547,12.153 39.547,11.947 40.01,11.483 41.336,11.483 41.615,11.762 41.615,11.988 41.469,12.134 v1(41.469,12.2)
RXC_P: D17.2 D17.9 J16.A11 U8.16 | length 11.7
  Top Copper w0.102: U8.16@38.15,14.35 38.15,14.175 38.224,14.101 38.239,14.101 38.298,14.041 38.298,12.914 39.106,12.106 39.106,11.893 v1(39.15,11.85) ; 41.878,9.29 41.818,9.35 41.818,9.479 41.878,9.539 41.917,9.539 41.967,9.588 D17.2@41.967,9.77 41.967,9.953 41.917,10.002 41.878,10.002 41.818,10.061 41.818,10.314 41.878,10.374 41.917,10.374 41.967,10.423 D17.9@41.967,10.605 41.967,10.788 41.917,10.837 41.878,10.837 41.818,10.896 41.818,11.988 41.964,12.134 v1(41.964,12.2) ; 41.879,9.29 42.114,9.055 42.114,8.048 42.262,7.899 J16.A11@42.262,7.699
  Bottom Layer w0.102: v1(39.15,11.85) 39.196,11.803 39.403,11.803 39.926,11.28 41.42,11.28 41.818,11.678 41.818,11.988 41.964,12.134 v1(41.964,12.2)
SD_HST0_CD: J10.60 R5.2 | length 31.6
  Top Copper w0.127: J10.60@9.54,39.978 11.522,39.978 23.9,27.6 v2(23.9,20.6)
  Bottom Layer w0.127: R5.2@23.176,15.992 23.195,16.011 23.568,16.011 23.9,16.344 v2(23.9,20.6)
SD_HST0_CLK: J9.5 J10.62 | length 49.5
  Top Copper w0.127: J10.62@9.54,40.378 11.688,40.378 24.3,27.766 24.3,21.1 25.008,20.392 25.712,20.392 25.83,20.273 v2(25.906,20.273)
  Bottom Layer w0.127: v2(25.906,20.273) 25.9,20.268 25.9,9.35 25.9,7.928 ccw(c26.113,7.928) 26.113,7.715 cw(c26.114,7.501) 26.114,7.288 25.622,7.288 ccw(c25.622,7.074) 25.622,6.861 26.376,6.861 cw(c26.376,6.647) 26.376,6.434 25.423,6.434 ccw(c25.423,6.22) 25.423,6.007 25.686,6.007 cw(c25.686,5.793) 25.9,5.793 25.9,5.73 25.9,5.572 26.77,4.703 J9.5@26.77,3.409
SD_HST0_CMD: J9.3 J10.64 | length 49.5
  Top Copper w0.127: J10.64@9.54,40.778 11.854,40.778 24.6,28.031 24.6,21.3 25.095,20.805 v2(25.116,20.805)
  Bottom Layer w0.127: J9.3@24.57,3.409 24.57,7.169 24.57,7.232 ccw(c24.356,7.232) 24.356,7.446 24.093,7.446 cw(c24.093,7.659) 24.093,7.873 25.046,7.873 ccw(c25.046,8.086) 25.046,8.3 24.268,8.3 cw(c24.268,8.513) 24.268,8.727 24.783,8.727 ccw(c24.783,8.94) 24.783,9.154 cw(c24.783,9.367) 24.57,9.367 24.57,9.663 24.718,9.811 25.534,10.627 25.534,20.379 25.116,20.796 v2(25.116,20.805)
SD_HST0_D0: J9.7 J10.66 | length 49.5
  Top Copper w0.127: J10.66@9.54,41.178 12.02,41.178 24.946,28.251 24.946,21.754 v2(25.9,20.8)
  Bottom Layer w0.127: v2@25.901,20.799 27.171,19.529 27.171,10.446 28.97,8.647 28.97,8.398 28.97,7.907 cw(c28.756,7.907) 28.756,7.694 28.493,7.694 ccw(c28.493,7.48) 28.493,7.267 28.954,7.267 cw(c28.954,7.053) 28.954,6.84 28.594,6.84 ccw(c28.594,6.626) 28.594,6.413 28.756,6.413 cw(c28.756,6.199) 28.97,6.199 28.97,5.566 J9.7@28.97,3.409
SD_HST0_D1: J9.8 J10.68 | length 49.6
  Top Copper w0.127: J10.68@9.54,41.578 12.185,41.578 25.259,28.504 25.259,22.041 v2(26.5,20.8)
  Bottom Layer w0.127: v2(26.5,20.8) 27.596,19.704 27.596,11.405 30.02,8.98 30.02,8.684 30.02,8.621 ccw(c30.233,8.621) 30.233,8.407 cw(c30.233,8.194) 30.233,7.98 30.02,7.98 ccw(c30.02,7.767) 30.02,7.553 30.233,7.553 cw(c30.233,7.34) 30.233,7.126 ccw(c30.233,6.913) 30.02,6.913 30.02,5.902 J9.8@30.02,3.409
SD_HST0_D2: J9.1 J10.70 | length 49.6
  Top Copper w0.127: J10.70@9.54,41.978 12.351,41.978 26.1,28.228 26.1,22.314 25.9,22.114 v2(25.9,22.1)
  Bottom Layer w0.127: J9.1@22.37,3.409 22.37,5.114 22.37,5.178 ccw(c22.156,5.178) 22.156,5.391 22.13,5.391 cw(c22.13,5.605) 22.13,5.818 22.156,5.818 ccw(c22.156,6.032) 22.37,6.032 22.37,8.237 22.37,8.95 24.419,10.998 24.419,21.375 25.143,22.1 v2(25.9,22.1)
SD_HST0_D3: J9.2 J10.72 | length 49.5
  Top Copper w0.127: J10.72@9.54,42.378 12.517,42.378 26.413,28.481 v2@26.413,21.665
  Bottom Layer w0.127: J9.2@23.47,3.409 23.47,9.196 24.748,10.474 24.748,20.957 25.46,21.669 26.4,21.669 v2(26.409,21.66)
SPI_SIO2: J13.62 J14.6 | length 29.1
  Top Copper w0.127: J14.6@12.937,66.047 12.944,66.041 v1(12.944,64.564) ; v1(27.197,52.801) 27.199,52.802 J13.62@27.2,53.638 J13.62@27.2,53.638
  Layer 2 w0.127: v1(12.944,64.564) 12.868,64.564 12.757,64.453 12.753,64.453 12.36,64.06 12.36,62.359 13.13,61.59 15.94,61.59 16.628,60.902 18.005,60.902 18.629,60.902 ccw(c18.629,61.034) 18.761,61.034 18.761,61.06 cw(c18.893,61.06) 18.893,61.192 19.006,61.192 cw(c19.006,61.06) 19.138,61.06 19.138,60.801 ccw(c19.27,60.801) 19.27,60.669 19.383,60.669 ccw(c19.383,60.801) 19.515,60.801 19.515,61.06 cw(c19.647,61.06) 19.647,61.192 19.76,61.192 cw(c19.76,61.06) 19.892,61.06 19.892,60.801 ccw(c20.024,60.801) 20.024,60.669 20.137,60.669 ccw(c20.137,60.801) 20.269,60.801 20.269,61.06 cw(c20.401,61.06) 20.401,61.192 20.514,61.192 cw(c20.514,61.06) 20.646,61.06 20.646,60.801 ccw(c20.778,60.801) 20.778,60.669 20.891,60.669 ccw(c20.891,60.801) 21.023,60.801 21.023,61.06 cw(c21.155,61.06) 21.155,61.192 21.268,61.192 cw(c21.268,61.06) 21.4,61.06 21.4,61.034 ccw(c21.532,61.034) 21.532,60.902 21.972,60.902 v1(22.67,60.902)
  Bottom Layer w0.127: v1(22.67,60.902) 23.698,60.902 26.179,58.421 26.179,57.071 27,56.25 27,53.074 27.197,52.877 v1(27.197,52.801)
SPI_SIO3: J13.64 J14.8 | length 27.9
  Top Copper w0.127: J14.8@14.207,66.047 14.214,66.041 v1(14.214,64.564) ; J13.64@27.6,53.638 27.625,53.612 27.625,52.625 v1(27.65,52.6)
  Layer 2 w0.127: v1(14.214,64.564) 14.214,63.516 14.56,63.17 15.348,63.17 16.211,62.307 16.501,62.016 16.511,62.016 cw(c16.511,61.885) 16.643,61.885 16.643,61.872 ccw(c16.775,61.872) 16.775,61.74 16.888,61.74 ccw(c16.888,61.872) 17.02,61.872 17.02,62.095 cw(c17.152,62.095) 17.152,62.227 17.265,62.227 cw(c17.265,62.095) 17.397,62.095 17.397,61.858 ccw(c17.529,61.858) 17.529,61.726 17.642,61.726 ccw(c17.642,61.858) 17.774,61.858 17.774,62.095 cw(c17.906,62.095) 17.906,62.227 18.019,62.227 cw(c18.019,62.095) 18.151,62.095 18.151,61.858 ccw(c18.283,61.858) 18.283,61.726 18.396,61.726 ccw(c18.396,61.858) 18.528,61.858 18.528,62.095 cw(c18.66,62.095) 18.66,62.227 18.773,62.227 cw(c18.773,62.095) 18.905,62.095 18.905,61.858 ccw(c19.037,61.858) 19.037,61.726 19.15,61.726 ccw(c19.15,61.858) 19.282,61.858 19.282,62.095 cw(c19.414,62.095) 19.414,62.227 19.527,62.227 cw(c19.527,62.095) 19.659,62.095 19.659,61.858 ccw(c19.791,61.858) 19.791,61.726 19.904,61.726 ccw(c19.904,61.858) 20.036,61.858 20.036,61.885 cw(c20.168,61.885) 20.168,62.016 20.232,62.016 23.208,62.016 24.011,61.214 24.011,61.186 24.11,61.086 v1(24.11,61.01)
  Bottom Layer w0.127: v1(24.11,61.01) 26.407,58.714 26.407,57.193 27.3,56.3 27.3,53.219 27.568,52.951 27.568,52.814 27.597,52.786 27.597,52.653 v1(27.65,52.6)
SPI_SS_0: J13.66 J14.5 | length 28.9
  Top Copper w0.127: v1(12.937,63.943) J14.5@12.937,62.147 J14.5@12.944,62.141 ; v1@28,52.95 J13.66@28,53.638
  Layer 2 w0.127: v1(12.937,63.943) 12.96,63.92 12.96,63.743 12.96,63.663 12.964,63.658 13.231,63.392 cw(c13.137,63.298) 13.231,63.205 12.878,62.852 ccw(c12.971,62.759) 12.878,62.666 12.958,62.586 ccw(c13.051,62.679) 13.144,62.586 13.702,63.144 cw(c13.796,63.05) 13.889,63.144 13.969,63.064 cw(c13.876,62.97) 13.969,62.877 13.411,62.319 ccw(c13.504,62.226) 13.411,62.132 13.491,62.052 ccw(c13.584,62.146) 13.678,62.052 14.236,62.61 cw(c14.329,62.517) 14.422,62.61 14.502,62.53 cw(c14.409,62.437) 14.502,62.344 14.484,62.325 ccw(c14.577,62.232) 14.484,62.139 14.615,62.007 14.66,61.962 14.742,61.88 16.18,61.88 16.635,61.425 21.746,61.425 v1(21.962,61.641)
  Bottom Layer w0.127: v1(21.962,61.641) 22.007,61.687 23.963,61.687 26.636,59.014 26.636,57.287 27.55,56.373 27.55,53.378 27.764,53.164 27.786,53.164 v1(28,52.95)
STROBE_A2: J1.24 TP1.1 | length 3.4
  Bottom Layer w0.127: J1.24@12.96,53.43 15.37,53.43 TP1.1@16.05,52.75
STROBE_B2: J5.24 TP4.1 | length 2.4
  Bottom Layer w0.127: TP4.1@34.6,22.6 34.678,22.522 36.859,22.522 J5.24@36.936,22.445
STROBE_C1: J2.24 TP2.1 | length 3.5
  Bottom Layer w0.127: TP2.1@19.989,59.061 TP2.1@20.05,59 20.2,59.15 20.2,62.238 J2.24@20.287,62.325
STROBE_C2: J6.24 TP5.1 | length 3
  Bottom Layer w0.127: TP5.1@40.4,59.5 40.4,60.515 40.75,60.865 J6.24@40.75,62.325
STROBE_SA: J3.24 J7.2 TP3.1 | length 62.4
  Top Copper w0.127: J7.2@27.45,63.734 27.45,66.3 v1(27.5,66.35)
  Layer 2 w0.127: v1(13.2,36.25) 4.9,44.55 4.9,60.65 10.6,66.35 v1(27.5,66.35)
  Bottom Layer w0.127: J3.24@12.96,32.945 14.654,32.945 15.218,33.508 15.218,35.632 TP3.1@14.5,36.35 ; v1(13.2,36.25) 13.225,36.225 14.475,36.225 TP3.1@14.5,36.2
STROBE_SB: J4.24 TP6.1 | length 4.9
  Bottom Layer w0.127: TP6.1@32.6,41.65 33.88,42.93 J4.24@36.936,42.93